# Altium PCB EVB-NORA-B20.PcbDoc (part 5 of 6)
Units mm, origin at the board's own origin, x right, y up, seen from the top; angles counter-clockwise.
Board outline 100 x 70 mm, 6 copper layers (L1, L2, L3, L4, L5, L6), stack 1.547 mm thick; 491 components, 294 nets, 1446 pads, 1246 vias.
Unrouted connection lines stored in the file: 3.
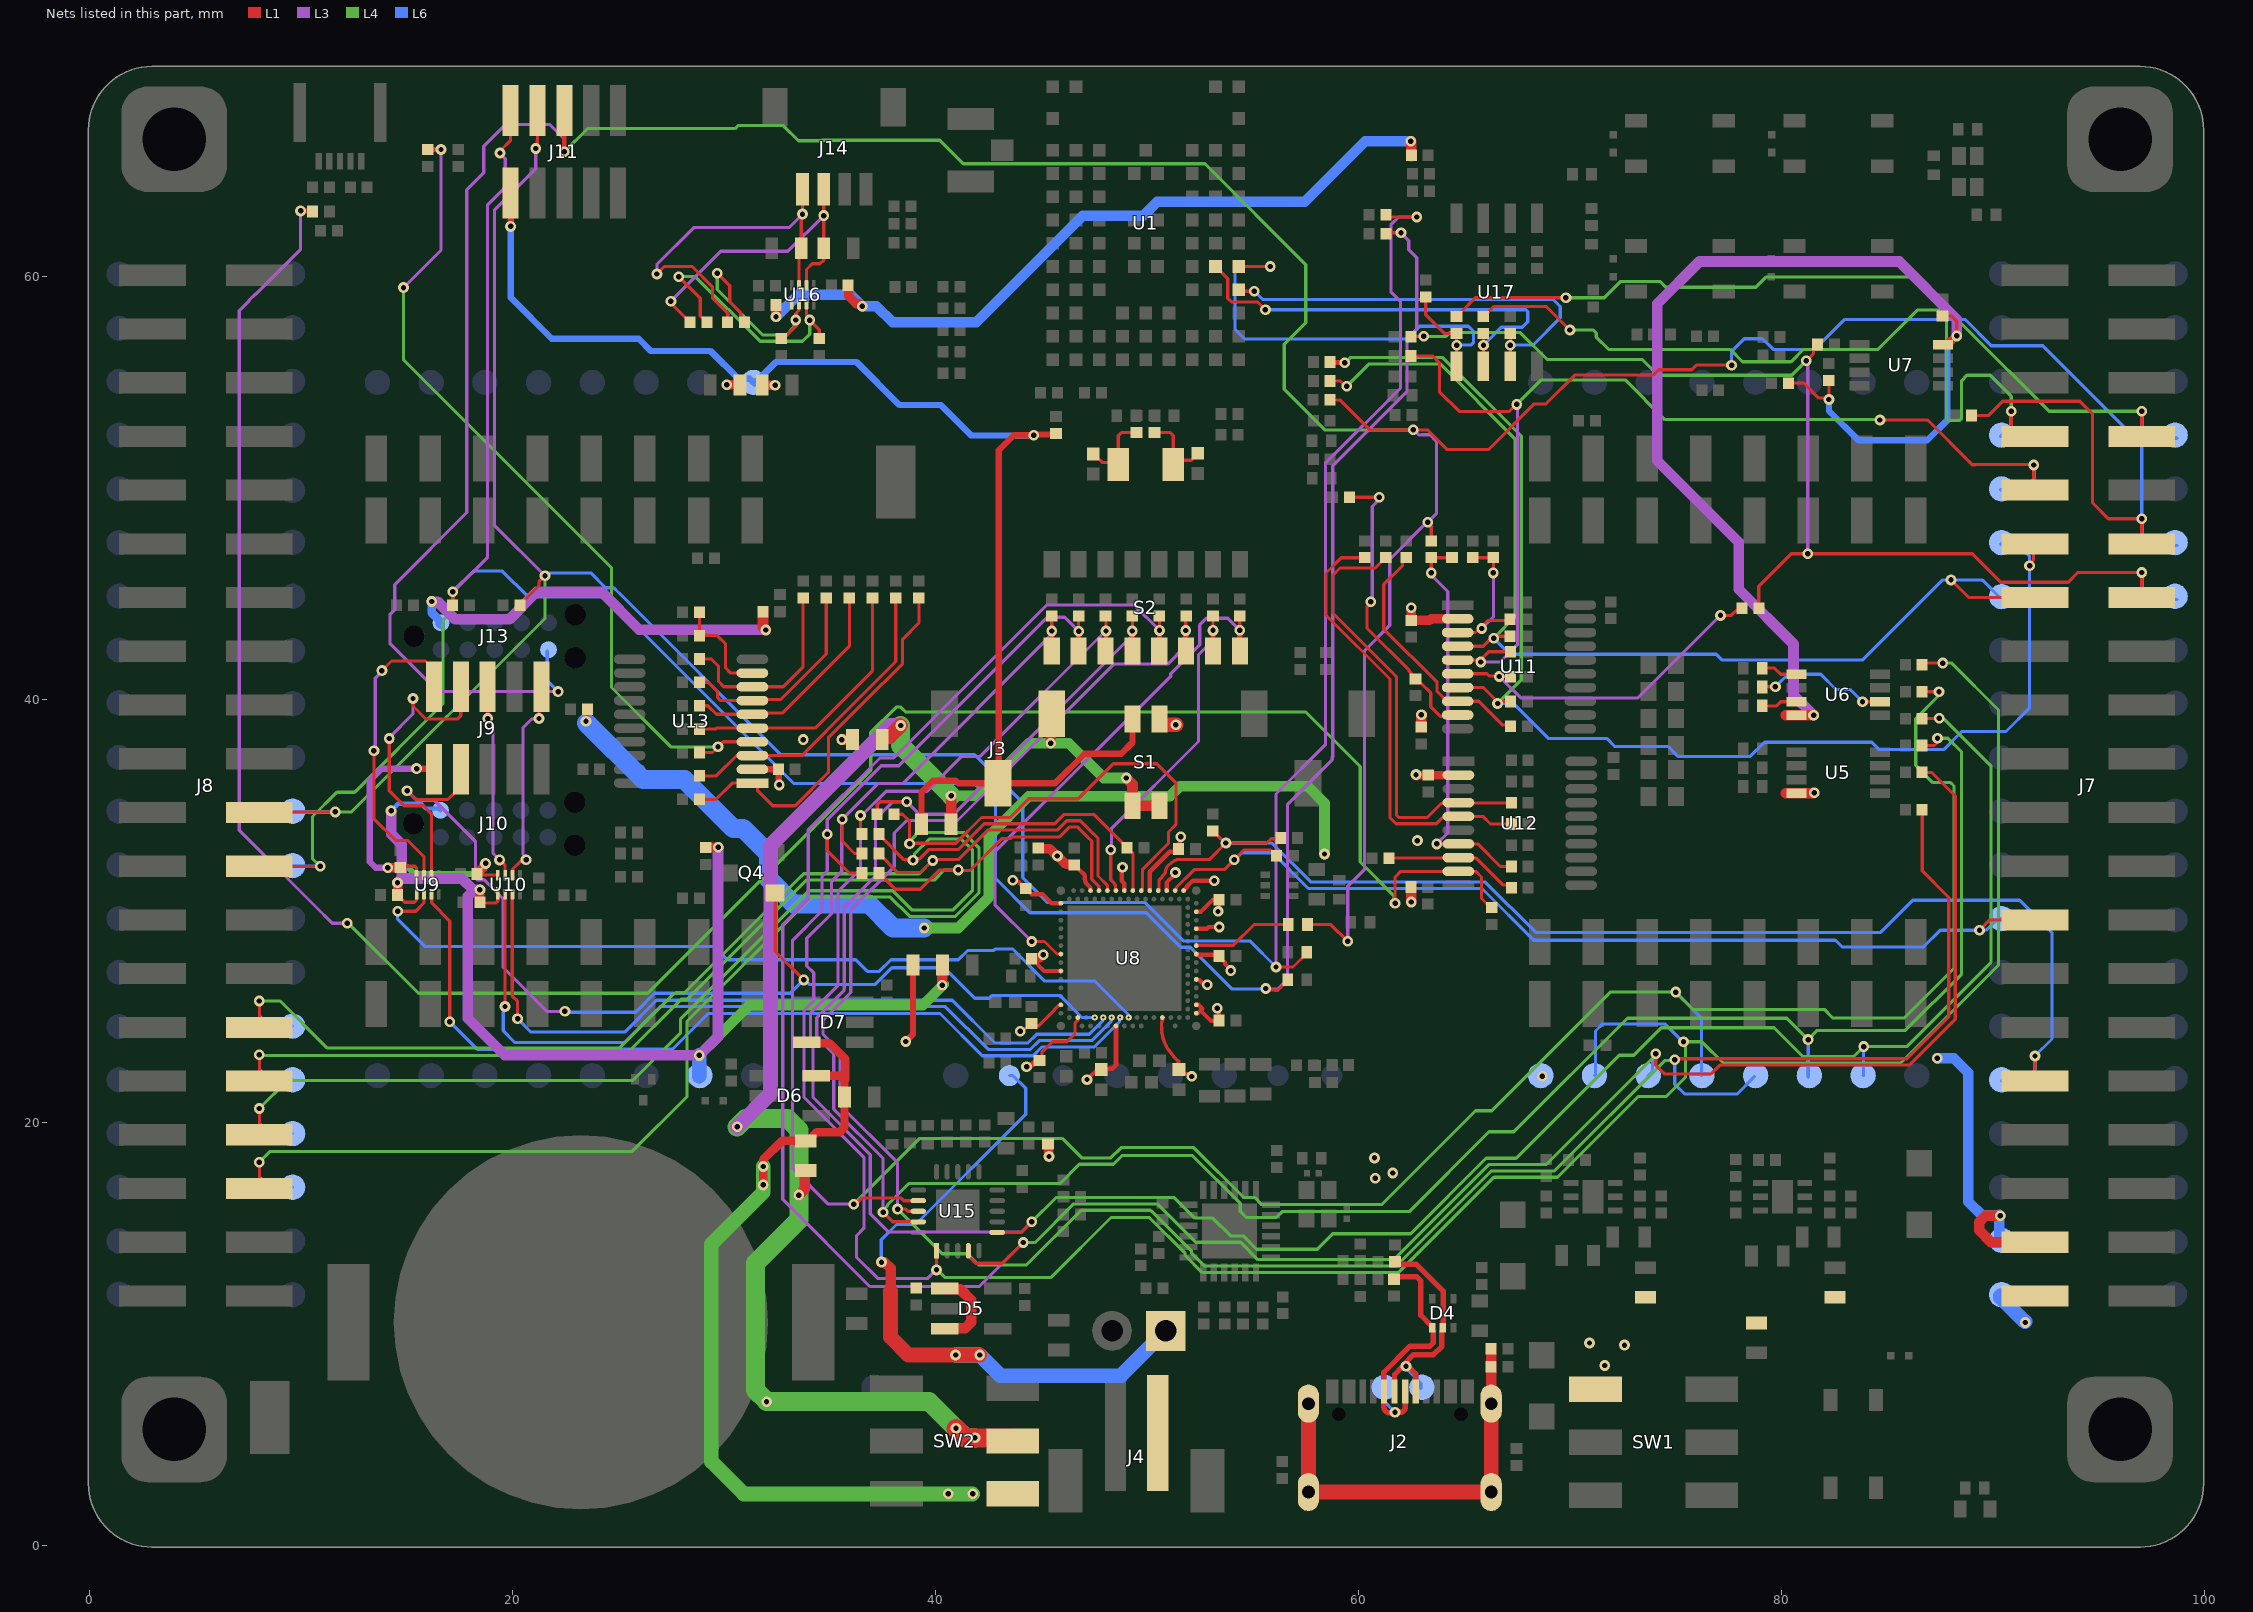
[diagram p9: the nets of this part, all layers, seen from the top]

## Via types
v1: diameter 0.508, hole 0.254, L1 to L6, 912 vias
v2: diameter 0.5, hole 0.25, L1 to L6, 329 vias
v3: diameter 0.3, hole 0.1, L1 to L6, tented top, 5 vias

## Nets (pads, with @x,y where several pads share a name; then routed paths per layer and width w, separated by ;. In a path a pad name is that pad's centre, name@x,y a point inside that pad or via, vN(x,y) a via of type N, cw(c..) or ccw(c..) an arc to the next point about the centre after c; other vN are vias at no path point) (continued)
P2.03/QSPI_IO2: R183.2 U1.D1 U17.3 | length 20.5
  L1 w0.15: U1.D1@54.336,59.381 54.406,59.311 v1(55.067,59.311) ; U17.3@67.172,55.776 v1(67.172,56.765) R183.2@67.172,57.355
  L6 w0.15: v1(55.067,59.311) 55.457,58.921 69.204,58.921 69.534,58.59 69.534,58.057 68.242,56.765 v1(67.172,56.765)
P2.04: J7.7 R184.1 TP51.1 | length 37.9
  L1 w0.15: R184.1@65.895,58.109 65.91,58.109 66.395,58.594 68.875,58.594 v1(69.988,57.482) ; J7.7@90.854,52.479 v1(90.854,53.637)
  L4 w0.15: v1(69.988,57.482) 71.093,57.482 71.237,57.338 71.237,57.144 71.815,56.566 77.563,56.566 78.147,55.982 80.448,55.982 81.032,56.565 84.557,56.565 86.356,58.364 86.416,58.424 87.441,58.424 87.8,58.064 87.8,53.291 87.888,53.203 88.42,53.203 88.508,53.291 88.508,55.089 88.758,55.34 89.86,55.34 90.854,54.345 v1(90.854,53.637)
  L6 w0.15: TP51.1@90.354,52.451 90.854,52.951 v1(90.854,53.637)
P2.04/QSPI_IO1: R184.2 U1.E2 U17.2 | length 20.8
  L1 w0.15: U1.E2@53.236,60.481 53.815,59.902 53.811,59.898 53.811,58.984 53.877,58.919 53.88,58.919 53.993,58.806 55.228,58.806 v1(55.592,58.442) ; U17.2@65.902,55.776 v1(65.902,56.765) R184.2@65.902,57.355
  L6 w0.15: v1(55.592,58.442) 67.904,58.442 67.992,58.354 67.992,57.863 67.738,57.609 66.747,57.609 v1(65.902,56.765)
P2.05: J7.8 R187.2 TP52.1 | length 39.8
  L1 w0.15: R187.2@64.625,58.109 64.64,58.109 64.825,58.294 64.825,58.309 65.52,59.004 v1(69.799,59.004) ; J7.8@97.025,52.466 v1(97.025,53.636)
  L4 w0.15: v1(69.799,59.004) 71.62,59.004 72.396,59.78 74.247,59.78 74.521,59.506 78.781,59.506 79.256,59.981 86.308,59.981 88.758,57.531 92.652,53.637 v1(97.025,53.636)
  L6 w0.15: v1(97.025,53.636) 97.025,52.934 97.593,52.366 TP52.1@98.695,52.366
P2.05/QSPI_CS: R187.1 R198.2 U1.E1 U17.1 | length 23.4
  L1 w0.15: U1.E1@54.336,60.481 v1(55.818,60.481) ; R198.2@63.174,59.05 63.174,58.203 64.069,57.309 R187.1@64.625,57.309 ; U17.1@64.632,55.776 v1(64.632,56.765) R187.1@64.632,57.309
  L6 w0.15: v1(55.818,60.481) 54.336,60.481 54.147,60.292 54.147,57.529 54.628,57.048 62.271,57.048 62.883,57.66 65.185,57.66 65.434,57.412 65.434,57.288 65.423,57.278 65.423,56.881 65.308,56.765 v1(64.632,56.765)
P2.06/SPI1_CLK: J7.9 R4.1 R99.2 TP53.1 U11.5 | length 53.4
  L1 w0.15: R4.1@62.467,56.253 63.504,56.253 63.819,55.937 63.819,54.566 64.754,53.631 67.134,53.631 67.467,53.964 v1(67.478,53.964) ; U11.5@64.683,41.878 65.754,41.878 66.143,42.267 R99.2@67.183,42.267 ; v1(84.645,53.225) 86.898,53.225 89.013,51.111 89.137,51.111 89.145,51.119 91.899,51.119 v1(91.921,51.097) J7.9@91.921,49.939 ; J7.9@91.919,49.911 J7.9@91.949,49.941
  L3 w0.15: v1(65.767,41.785) 66.685,41.785 67.515,42.615 67.515,53.927 v1(67.478,53.964)
  L4 w0.15: v1(67.478,53.964) 68.638,55.124 72.596,55.124 74.477,53.243 84.627,53.243 v1(84.645,53.225)
  L6 w0.15: TP53.1@90.346,49.911 TP53.1@90.361,49.926 ; TP53.1@90.347,49.911 91.421,49.911 91.921,50.411 v1(91.921,51.097)
P2.07/SPI2_CS1/SPI_DCX: J7.12 J11.6 J13.6 R9.1 R74.2 R93.1 R113.2 TP55.1 | length 190.4
  L1 w0.15: R93.1@57.53,29.37 58.687,29.37 v1(59.481,28.576) ; R9.1@58.648,54.189 58.658,54.179 59.11,54.179 60.529,52.76 v1(62.582,52.76) 63.254,52.76 64.187,51.827 66.137,51.827 68.298,53.988 68.858,53.988 70.217,55.346 73.924,55.346 74.177,55.599 75.746,55.599 75.966,55.819 v1(77.633,55.819) ; v1@63.297,48.35 63.431,48.216 R113.2@63.431,47.514 ; R74.2@88.973,53.436 89.765,53.436 90.445,54.116 94.097,54.116 94.696,53.516 94.696,49.31 95.45,48.556 v1(97.025,48.556) J7.12@97.025,47.386
  L1 w0.2: v1(22.446,65.909) J11.6@22.446,67.859
  L3 w0.15: v1(22.151,40.386) 16.48,40.386 14.195,42.671 14.195,44.023 14.424,44.252 14.424,45.444 17.83,48.851 17.83,64.107 18.636,64.913 18.636,66.167 19.66,67.191 21.765,67.191 22.446,66.51 v1(22.446,65.909) ; v1(59.481,28.576) 59.481,31.178 60.28,31.978 60.28,42.33 61.468,43.518 61.468,46.632 63.226,48.39 v1(63.27,48.39) 63.674,48.794 63.674,52.226 63.373,52.527 62.976,52.527 62.973,52.524 62.849,52.524 62.613,52.76 v1(62.582,52.76)
  L4 w0.15: v1(22.446,65.909) 23.543,67.006 30.517,67.006 30.657,67.146 32.797,67.146 33.515,66.428 34.596,66.428 34.624,66.456 40.199,66.456 41.312,65.342 52.734,65.342 57.502,60.574 57.502,57.83 56.484,56.812 56.484,54.678 58.401,52.76 v1(62.582,52.76)
  L6 w0.15: J13.6@21.64,42.308 21.64,40.896 v1(22.151,40.386) ; v1(77.633,55.819) 77.633,56.47 78.234,57.072 79.095,57.072 79.601,56.565 81.571,56.565 82.989,57.984 88.667,57.984 89.911,56.74 92.346,56.74 97.025,52.061 v1(97.025,48.556) 97.025,47.854 97.593,47.286 TP55.1@98.695,47.286
P2.08/SPI1_MOSI: J7.11 R8.1 R102.2 TP54.1 U11.7 | length 63.9
  L1 w0.15: U11.7@64.683,40.578 65.896,40.578 66.556,39.919 R102.2@67.183,39.919 ; v1(91.723,46.338) 91.723,46.435 91.911,46.623 91.911,47.363 J7.11@91.919,47.371
  L1 w0.25: R8.1@58.678,55.944 59.328,55.944 v1(59.338,55.934)
  L4 w0.15: v1(59.338,55.934) 59.361,55.934 59.605,56.178 63.975,56.178 67.685,52.468 67.685,40.94 v1(66.569,39.825)
  L6 w0.15: v1(66.569,39.825) 67.31,39.825 68.962,38.173 71.724,38.173 72.109,37.788 74.631,37.788 75.095,37.324 78.521,37.324 79.188,37.991 84.261,37.991 84.611,37.641 87.658,37.641 88.516,38.498 90.607,38.498 91.723,39.614 91.723,46.77 91.137,47.356 90.361,47.356 TP54.1@90.346,47.371
P2.09/SPI1_MISO: J7.14 R7.1 R69.2 R100.2 TP58.1 | length 54.5
  L1 w0.15: R7.1@62.309,57.181 v1(63.081,57.181) ; R100.2@78.92,44.319 78.92,45.37 80.449,46.9 v1(81.234,46.9) 89.012,46.9 90.357,45.555 93.541,45.555 94.003,46.016 v1(97.025,46.016) J7.14@97.025,44.846 ; v1(81.167,56.023) 81.508,56.364 81.508,56.609 R69.2@81.693,56.794
  L3 w0.15: v1(81.167,56.023) 81.234,55.956 v1(81.234,46.9) v1@81.244,46.89
  L4 w0.15: v1(63.081,57.181) 64.136,57.181 64.315,57.359 67.645,57.359 68.917,56.087 73.41,56.087 74.157,55.34 80.484,55.34 v1(81.167,56.023)
  L6 w0.15: v1(97.025,46.016) 97.025,45.314 97.593,44.746 TP58.1@98.695,44.746
P2.10/SPI1_CS0: J7.13 R5.1 R98.2 TP57.1 U11.4 | length 53.9
  L1 w0.15: R5.1@58.677,55.047 58.821,55.047 58.841,55.067 59.141,55.067 59.382,54.826 v1(59.443,54.826) ; U11.4@64.582,42.427 U11.4@64.683,42.528 65.895,42.528 66.369,43.003 R98.2@67.161,43.003 ; v1(88.009,45.666) 88.835,44.84 91.91,44.84 J7.13@91.919,44.831
  L4 w0.15: v1(59.443,54.826) 60.495,55.878 63.851,55.878 67.385,52.344 67.385,43.911 v1(66.383,42.909)
  L6 w0.15: v1(66.383,42.909) 67.142,42.15 76.908,42.15 77.175,41.883 83.84,41.883 87.622,45.666 89.424,45.666 cw(c89.424,45.516) 89.53,45.622 TP57.1@90.321,44.831
RTS: R66.1 U6.7 | length 1.7
  L1 w0.15: R66.1@79.081,39.71 79.762,39.71 79.955,39.903 80.697,39.903 U6.7@80.701,39.907
RXD: R67.1 U6.2 | length 6.3
  L1 w0.15: R67.1@79.09,40.608 79.097,40.615 v1(79.705,40.615) ; v1(83.82,39.903) U6.2@84.637,39.903
  L6 w0.15: v1(79.705,40.615) 80.298,41.207 81.845,41.207 82.567,40.485 83.239,40.485 v1(83.82,39.903)
SCL_1.8: R178.1 R185.2 U16.2 | length 10.7
  L1 w0.15: v1(29.673,60.17) 30.263,59.58 30.263,58.826 30.785,58.305 30.785,58.026 R185.2@30.97,57.841 ; R178.1@32.705,57.087 32.821,57.087 33.384,57.65 33.384,58.258 33.542,58.416 U16.2@33.542,58.696
  L4 w0.15: v1(29.673,60.17) 29.673,59.398 31.825,57.246 32.923,57.246 33.318,57.641 33.318,57.889 v1(33.383,57.954)
SCL_3.3: J14.4 R177.1 R185.1 U16.7 | length 18.1
  L1 w0.15: v1@26.826,60.131 27.178,60.482 28.489,60.482 29.446,59.526 29.446,59.003 30.17,58.279 R185.1@30.17,57.841 ; U16.7@33.542,59.596 33.542,61.239 R177.1@33.646,61.343 33.646,62.687 33.704,62.745 J14.4@33.704,64.138
  L3 w0.15: v1(26.822,60.127) 26.822,60.581 28.565,62.323 33.066,62.323 v1(33.703,62.96)
SDA_1.8: R179.1 R188.2 U16.3 | length 12.9
  L1 w0.15: v1(27.851,60.003) 28.871,58.983 28.871,58.156 28.986,58.041 29.001,58.041 29.186,57.856 R188.2@29.186,57.841 ; U16.3@33.892,58.696 33.892,58.105 v1(34.046,57.951) 34.498,57.499 R179.1@34.498,57.087
  L4 w0.15: v1(27.851,60.003) 28.644,60.003 31.701,56.946 33.705,56.946 34.046,57.287 v1(34.046,57.951)
SDA_3.3: J14.3 R176.1 R188.1 U16.6 | length 15.4
  L1 w0.15: v1(27.482,58.84) 27.482,58.76 28.386,57.856 R188.1@28.386,57.841 ; U16.6@33.892,59.596 33.892,60.34 34.163,60.611 34.529,60.611 34.706,60.788 R176.1@34.706,61.343 34.706,64.136 J14.3@34.704,64.138
  L3 w0.15: v1(27.482,58.84) 29.843,61.201 33.015,61.201 v1(34.705,62.891)
SHLDC: C12.2 J2.SHLD R42.1 | length 19.6
  L1 w0.5: R42.1@66.26,9.31 R42.1@66.26,9.31 66.261,8.469 66.264,8.466 J2.SHLD@66.264,6.723
  L1 w0.7: J2.SHLD@57.626,6.721 J2.SHLD@57.626,2.541 J2.SHLD@66.266,2.541 J2.SHLD@66.266,6.721 J2.SHLD@66.264,6.723
SWD0_CLK: U8.B18 U9.3 | length 41
  L1 w0.15: U9.3@16.16,30.799 16.172,30.787 16.172,30.393 17.03,29.535 v1(17.03,24.775)
  L6 w0.15: v1(17.03,24.775) 18.333,23.471 27.561,23.471 29.255,25.165 40.204,25.165 42.198,23.171 44.611,23.171 45.022,23.582 47.508,23.582 48.694,24.768 48.694,24.947 v3(48.723,24.976)
SWD0_IO: U8.B16 U9.2 | length 39.6
  L1 w0.15: v1(14.564,30.002) 15.416,30.002 15.81,30.396 U9.2@15.81,30.799
  L6 w0.15: v1(14.564,30.002) 14.564,29.613 15.838,28.339 29.511,28.339 30.14,27.71 36.219,27.71 36.771,27.158 37.338,27.158 37.89,27.71 41.078,27.71 41.514,28.146 42.75,28.146 42.824,28.22 43.636,28.22 45.16,26.696 47.533,26.696 49.094,25.135 49.094,25.005 v3(49.123,24.976)
SWD0_RESETn: U8.B22 U10.3 | length 36
  L1 w0.15: U10.3@19.995,30.807 19.983,30.795 19.983,25.987 20.234,25.735 v1(20.234,24.923)
  L6 w0.15: v1(20.234,24.923) 20.87,24.287 25.297,24.287 26.8,25.79 40.787,25.79 42.806,23.771 44.362,23.771 44.773,24.182 47.259,24.182 47.894,24.817 47.894,24.907 47.923,24.935 v3(47.923,24.976)
SWD0_SEL: J9.3 Q4.1 U8.B24 | length 50.3
  L1 w0.15: v1(15.011,35.699) 15.426,35.284 16.935,35.284 17.235,35.584 17.246,35.584 17.551,35.889 J9.3@17.551,36.709 ; Q4.1@32.415,30.868 32.415,28.098 v1(33.76,26.753)
  L3 w0.15: v1(15.011,35.699) 15.459,35.251 16.299,35.251 18.24,33.31 18.24,31.58 18.328,31.492 18.651,31.492 19.545,30.599 19.545,27.343 21.622,25.266 v1(22.473,25.266)
  L6 w0.15: v1(22.473,25.266) 22.511,25.228 25.814,25.228 26.707,26.121 33.129,26.121 v1(33.76,26.753) ; v1@33.814,26.753 34.027,26.54 37.144,26.54 37.931,27.327 40.411,27.327 41.855,25.883 42.541,25.883 42.682,26.024 45.859,26.024 46.907,24.976 v3(47.523,24.976)
SWD0_SWO: U8.B20 U10.2 | length 37.8
  L1 w0.15: v1(19.638,25.495) 19.641,25.499 19.641,30.803 U10.2@19.645,30.807
  L6 w0.15: v1(19.638,25.495) 19.569,25.426 19.569,25.24 19.557,25.228 19.557,24.342 20.112,23.787 25.277,23.787 26.98,25.49 40.462,25.49 42.481,23.471 44.487,23.471 44.898,23.882 47.384,23.882 48.294,24.793 48.294,24.947 v3(48.323,24.976)
SWD3_SWO: R93.2 U8.W1 | length 4.8
  L1 w0.15: U8.W1@52.323,28.376 52.337,28.39 54.073,28.39 55.052,29.37 R93.2@56.73,29.37
SWD_CLK_NORA: J8.22 J11.4 R15.2 R166.2 R208.1 TP105.1 | length 133.9
  L1 w0.15: J8.22@7.971,34.671 7.996,34.696 v1(11.608,34.696) ; R166.2@20.345,44.459 20.53,44.644 20.53,44.668 21.24,45.379 21.24,45.576 v1(21.53,45.865) ; v1(21.093,66.064) 21.161,66.132 21.161,66.456 21.176,66.47 J11.4@21.176,67.859 ; v1(56.09,27.361) 56.898,27.361 57.516,27.98 R208.1@57.516,28.056 ; R15.2@61.294,62.934 61.402,62.826 v1(62.743,62.826)
  L3 w0.15: v1(21.093,66.064) 21.093,65.109 19.136,63.152 19.136,48.258 v1(21.53,45.865) ; v1(56.09,27.361) 56.09,35.545 58.438,37.894 58.438,51.196 61.982,54.74 61.982,58.824 61.524,59.282 61.524,62.453 61.897,62.826 v1(62.743,62.826)
  L4 w0.15: v1(11.608,34.696) 12.383,34.696 21.53,43.843 v1(21.53,45.865)
  L6 w0.15: TP105.1@9.546,34.671 9.559,34.684 11.595,34.684 v1(11.608,34.696) ; v1(21.53,45.865) 21.626,45.865 21.759,45.998 23.692,45.998 24.391,45.299 24.777,45.299 25.005,45.07 25.01,45.07 32.678,37.403 41.844,37.403 44.122,35.124 44.122,31.588 45.3,30.41 49.902,30.41 51.712,28.6 54.851,28.6 v1(56.09,27.361)
SWD_EXT_CLK: J9.4 U9.6 | length 14.5
  L1 w0.15: v1(14.164,38.17) 14.164,35.692 14.872,34.984 15.788,34.984 16.16,34.612 U9.6@16.16,31.699 ; v1(15.29,40.061) 15.29,39.702 15.906,39.086 17.387,39.086 17.551,39.25 J9.4@17.551,40.609
  L3 w0.15: v1(14.164,38.17) 14.164,38.204 15.29,39.33 v1(15.29,40.061)
SWD_EXT_IO: J9.2 U9.7 | length 14.8
  L1 w0.15: v1(13.442,37.586) 13.442,34.376 14.471,33.346 15.049,33.346 15.81,32.586 U9.7@15.81,31.699 ; v1(13.82,41.379) 14.273,41.832 15.878,41.832 16.281,41.429 J9.2@16.281,40.609
  L3 w0.15: v1(13.442,37.586) 13.508,37.652 13.508,41.014 13.82,41.326 v1(13.82,41.379)
SWD_EXT_RESETn: J9.10 U10.6 | length 10.6
  L1 w0.15: U10.6@19.995,31.707 20.007,31.719 20.007,32 20.375,32.367 20.57,32.367 v1(20.638,32.436) ; v1@21.248,39.173 J9.10@21.248,40.609 ; J9.10@21.361,39.789 J9.10@21.361,40.609
  L3 w0.15: v1(20.638,32.436) 20.638,32.533 20.494,32.677 20.494,38.686 20.897,39.089 21.221,39.089 v1(21.248,39.116)
SWD_EXT_SWO: J9.6 U10.7 | length 9.2
  L1 w0.15: v1@18.821,39.173 J9.6@18.821,40.609 ; v1(19.383,32.428) 19.645,32.166 U10.7@19.645,31.707
  L3 w0.15: v1(18.821,39.116) 18.821,39.098 19.07,38.849 19.07,32.741 v1(19.383,32.428)
SWD_IO_NORA: J8.24 J11.2 R22.2 R165.2 R207.1 TP107.1 | length 135.8
  L1 w0.15: J8.24@7.971,32.131 7.979,32.123 v1(10.9,32.123) ; R165.2@17.151,44.459 17.175,44.483 v1(17.175,45.103) ; v1(19.403,65.85) 19.403,65.947 19.906,66.45 J11.2@19.906,67.859 ; v1(55.61,26.35) 55.678,26.282 56.021,26.282 56.039,26.263 56.189,26.263 56.642,26.716 R207.1@56.642,26.766 ; R22.2@61.294,62.036 61.334,62.076 v1(62.003,62.076)
  L3 w0.15: v1(17.175,45.103) 18.818,46.746 18.818,63.402 19.653,64.237 19.653,65.583 19.403,65.833 v1(19.403,65.85) ; v1(55.61,26.35) 55.641,26.319 56.164,26.319 56.64,26.795 56.64,35.059 58.75,37.169 58.75,37.278 58.778,37.306 58.778,51.058 62.282,54.562 62.282,57.062 62.743,57.523 62.743,60.897 62.371,61.269 62.371,61.708 v1(62.003,62.076)
  L4 w0.15: v1(10.9,32.123) 10.54,32.483 10.54,34.48 11.69,35.63 12.532,35.63 16.71,39.808 16.71,43.751 17.175,44.216 v1(17.175,45.103)
  L6 w0.15: TP107.1@9.571,32.131 9.575,32.127 10.896,32.127 v1(10.9,32.123) ; v1(17.175,45.103) 18.152,46.079 19.513,46.079 20.732,44.861 24.464,44.861 33.283,36.042 41.818,36.042 42.828,35.032 42.828,31.559 44.457,29.93 49.958,29.93 51.588,28.3 52.043,28.3 54.023,26.32 55.58,26.32 v1(55.61,26.35)
TXD: R68.1 U6.5 | length 1.7
  L1 w0.15: R68.1@79.095,41.502 79.656,41.502 79.951,41.207 U6.5@80.701,41.207
  L1 w0.25: R68.1@79.081,41.488 R68.1@79.095,41.502
U1-INT: R105.1 R106.2 U11.9 | length 14.5
  L1 w0.15: R105.1@59.4,49.571 R105.1@59.574,49.571 v1(60.978,49.571) ; v1(60.573,44.637) 60.573,44.553 60.39,44.37 60.39,43.39 62.392,41.388 62.392,41.34 62.487,41.245 62.487,41.174 62.672,40.989 R106.2@62.687,40.989 62.872,40.804 62.925,40.804 63.408,40.321 63.408,39.678 63.865,39.221 64.626,39.221 U11.9@64.683,39.278
  L3 w0.15: v1(60.573,44.637) 60.641,44.706 60.641,49.138 60.978,49.474 v1(60.978,49.571)
U1-MISO: R100.1 R101.2 U11.6 | length 16.2
  L1 w0.15: U11.6@64.683,41.228 66.065,41.228 66.171,41.123 66.624,41.123 v1(66.65,41.097) 67.179,41.097 R101.2@67.183,41.093 ; v1(77.107,43.987) 77.626,43.987 77.957,44.319 R100.1@78.12,44.319
  L3 w0.15: v1(66.65,41.097) 67.659,40.087 73.207,40.087 v1(77.107,43.987)
U1-nRESET: R94.1 R96.1 R97.2 U11.3 | length 7.3
  L1 w0.15: U11.3@64.683,43.178 65.527,43.178 65.81,43.462 66.094,43.745 R97.2@67.161,43.745 ; R96.1@65.39,46.714 R94.1@66.369,46.714 v1(66.369,45.997)
  L3 w0.15: v1(65.824,43.368) 66.369,43.913 v1(66.369,45.997)
U1-PWM: R103.1 R104.2 U11.8 | length 12.1
  L1 w0.15: R103.1@62.452,46.714 62.261,46.714 62.076,46.529 62.076,46.337 61.19,45.451 61.19,43.341 63.708,40.823 63.708,40.392 64.212,39.888 U11.8@64.643,39.888 ; U11.8@64.683,39.928 65.671,39.928 66.786,38.813 67.115,38.813 R104.2@67.183,38.744
U1-SCL: R109.1 R110.2 U12.4 | length 21.2
  L1 w0.15: R109.1@61.273,46.714 61.258,46.714 61.073,46.529 61.073,46.514 60.788,46.229 59.116,46.229 58.757,45.87 58.757,44.127 61.79,41.094 61.79,34.534 61.89,34.434 63.238,34.434 63.898,35.093 64.678,35.093 U12.4@64.718,35.134 64.729,35.124 67.213,35.124 R110.2@67.218,35.129
U1-SDA: R111.1 R112.2 U12.5 | length 21.1
  L1 w0.15: R111.1@60.294,46.714 59.177,46.714 58.457,45.994 58.457,44.003 61.48,40.98 61.48,34.472 61.49,34.462 61.49,34.409 61.765,34.134 63.668,34.134 63.961,34.427 64.661,34.427 U12.5@64.718,34.484 65.873,34.484 66.232,34.125 R112.2@67.218,34.125
U2-CS: R117.1 R118.2 U12.8 | length 6.4
  L1 w0.15: R117.1@61.436,32.512 64.696,32.512 U12.8@64.718,32.534 64.741,32.512 65.558,32.512 66.821,31.248 67.082,31.248 R118.2@67.218,31.112
U2-INT: R127.1 R128.2 U13.5 | length 12.8
  L1 w0.15: R128.2@28.836,38.612 29.593,38.612 29.642,38.661 U13.5@31.336,38.661 34.299,38.661 37.018,41.379 R127.1@37.018,44.805
U2-MISO: R121.1 R122.2 U13.1 | length 17.7
  L1 w0.15: R122.2@28.836,35.296 29.616,35.296 30.381,36.061 31.432,36.061 31.582,35.911 31.582,35.698 32.296,34.984 33.355,34.984 34.93,36.559 34.93,38.2 35.542,38.812 35.542,38.815 36.603,39.876 36.606,39.876 38.438,41.708 38.438,42.862 39.206,43.63 R121.1@39.206,44.805
U2-MOSI: R123.1 R124.2 U13.3 | length 14.5
  L1 w0.15: R124.2@28.836,36.401 29.624,36.401 30.583,37.361 U13.3@31.336,37.361 33.666,37.361 34.848,38.542 34.848,38.545 36.479,40.176 36.481,40.176 38.112,41.807 R123.1@38.112,44.805
U2-nRESET: R113.1 R115.1 R116.2 U12.7 | length 19
  L1 w0.15: v1(63.431,45.997) R113.1@63.431,46.714 R115.1@64.411,46.714 ; v1(63.696,33.184) U12.7@64.718,33.184 65.633,33.184 66.701,32.116 R116.2@67.218,32.116
  L3 w0.15: v1(63.431,45.997) 63.431,45.9 64.214,45.118 64.214,33.702 v1(63.696,33.184)
U2-PWM: R125.1 R126.2 U13.4 | length 39.8
  L1 w0.15: R126.2@28.836,37.507 29.452,37.507 29.956,38.011 U13.4@31.336,38.011
  L1 w0.25: R125.1@15.987,66.009 15.989,66.012 16.609,66.012 v1(16.612,66.015)
  L3 w0.15: v1(14.841,59.487) 16.612,61.257 v1(16.612,66.015)
  L4 w0.15: v1(14.841,59.487) 14.841,56.075 24.675,46.241 24.675,40.579 27.481,37.773 v1(29.713,37.773)
U2-RX: R129.1 R130.2 U13.6 | length 10.9
  L1 w0.15: R130.2@28.836,39.718 29.23,39.718 29.637,39.311 U13.6@31.336,39.311 31.394,39.368 32.755,39.368 35.924,42.536 R129.1@35.924,44.805
U2-SCK: R119.1 R120.2 U12.9 | length 109.5
  L1 w0.15: v1(61.722,30.375) 61.722,31.621 61.985,31.884 U12.9@64.718,31.884 65.543,31.884 65.807,31.619 65.807,30.603 R120.2@66.302,30.108
  L1 w0.25: v1(9.975,63.112) 10.412,63.112 R119.1@10.547,63.087
  L3 w0.15: v1(9.975,63.112) 9.975,61.298 7.857,59.18 7.827,59.18 7.546,58.899 7.546,58.869 7.078,58.401 7.078,33.828 10.659,30.248 11.473,29.434 v1(12.186,29.434)